# KiCad board Panel.kicad_pcb (continued)
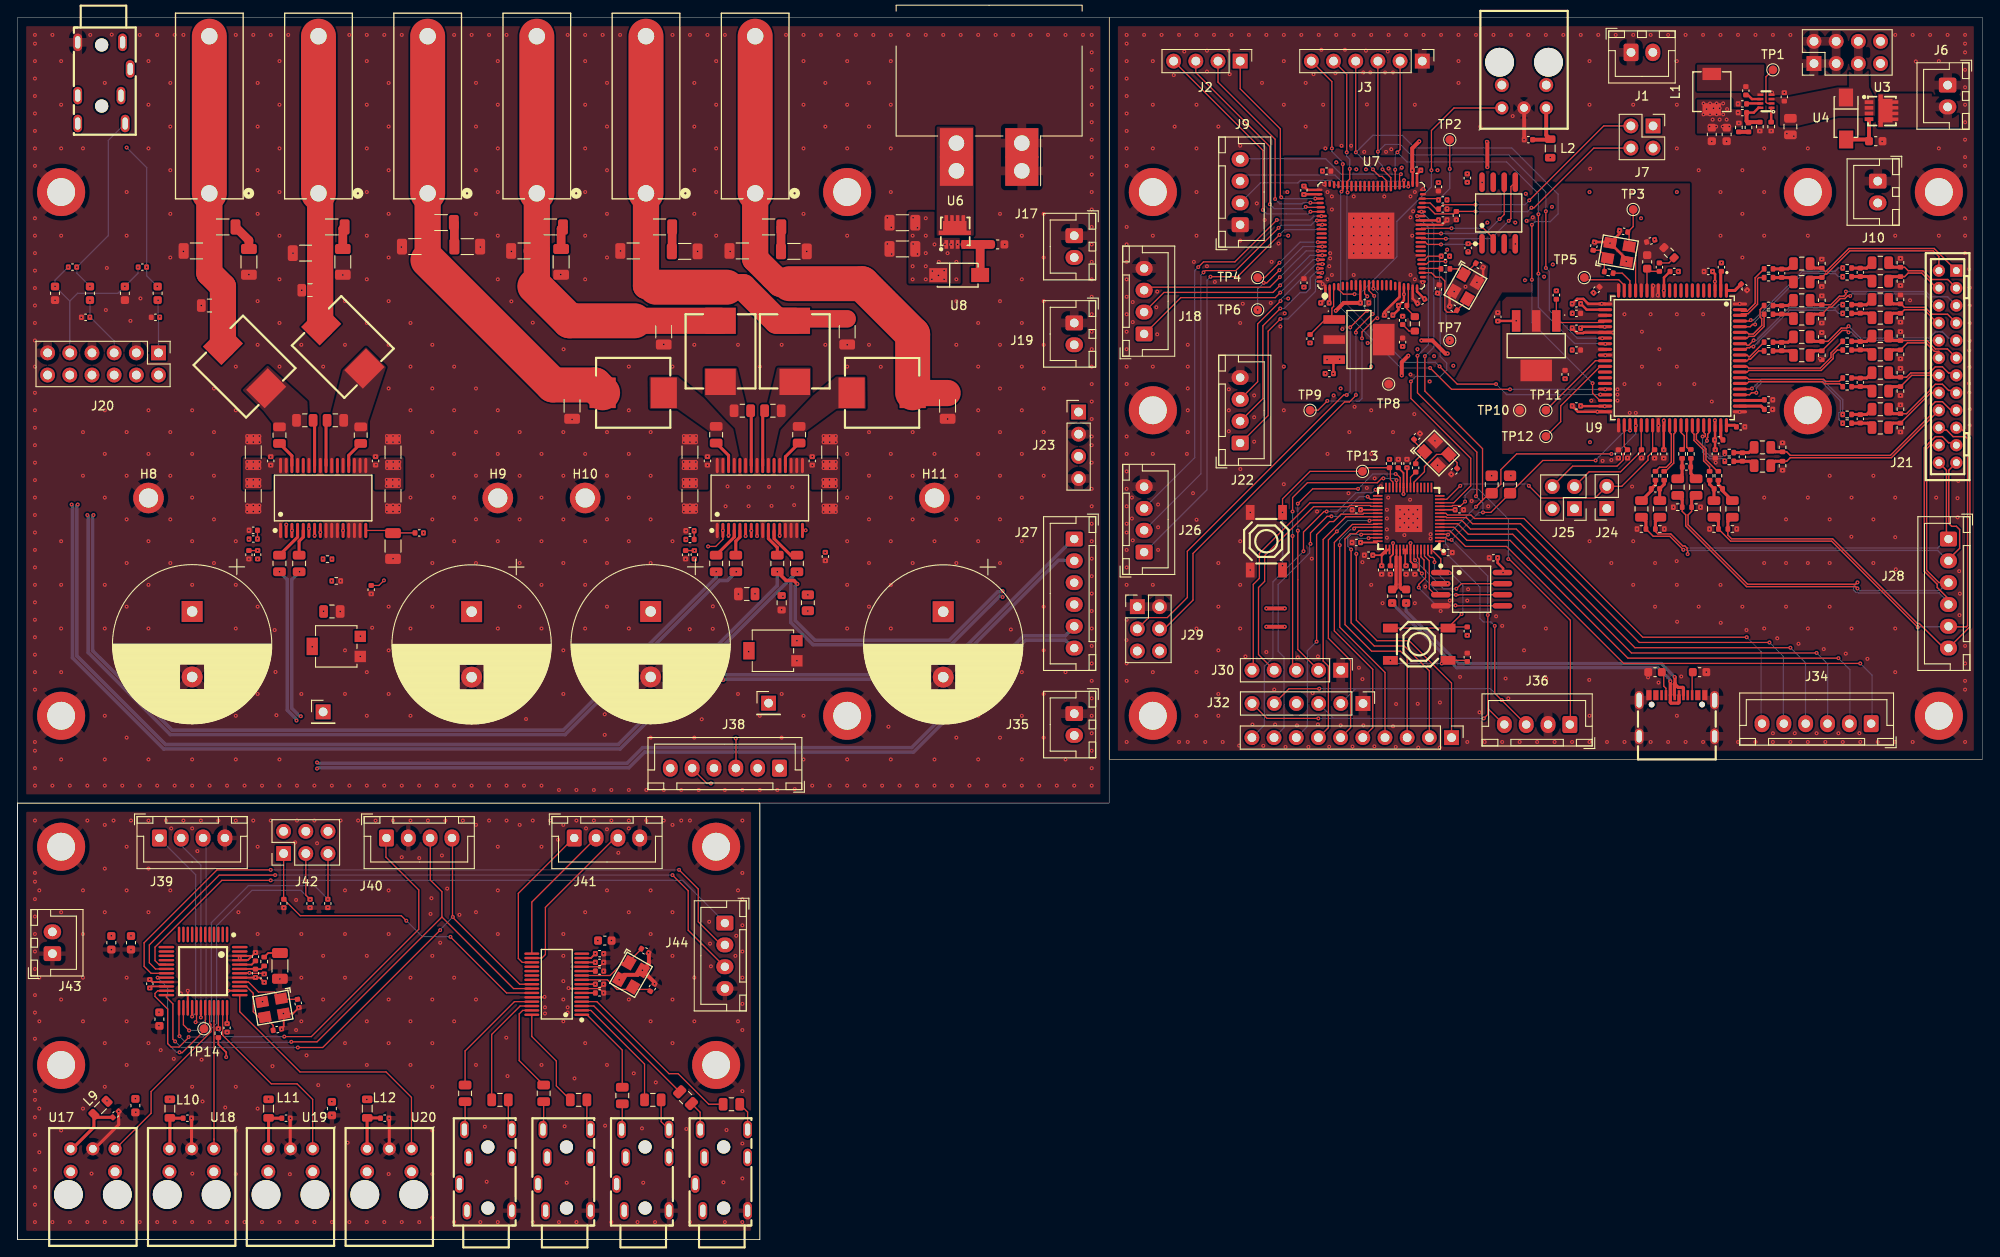
[diagram p0: board, top side]
## Nets (continued)
/ADAU1962A_ADDR1: J25.4 R62.2 U9.42
/ADAU1962A_RESET: J24.2 R64.1 U9.47 U12.13
/FAULTZA: J34.3 U12.6
/FAULTZB: J34.4 U12.7
/LIN: C50.1 J20.5 R38.1
/MUTEA: J34.5 U12.8
/MUTEB: J34.6 U12.9
/PCM1865/ADR0: J42.1 R104.1 U16.25
/PCM1865/BCK: J41.3 U16.17
/PCM1865/DOUT: J41.1 U16.18
/PCM1865/LRCK: J41.2 U16.16
/PCM1865/SCL: J40.3 U15.25 U16.24
/PCM1865/SDA: J40.4 U15.24 U16.23
/PCM9211/ADR0: J42.3 R105.1 U15.23
/PCM9211/ADR1: J42.5 R106.1 U15.26
/PCM9211/BCK: J44.2 U15.19
/PCM9211/BCKI: J39.2 U15.30
/PCM9211/DIN: J39.1 U15.28
/PCM9211/DOUT: J44.1 U15.17
/PCM9211/LRCK: J44.3 U15.18
/PCM9211/LRCKI: J39.3 U15.29
/PCM9211/RST: J40.1 R108.1 U15.34
/PCM9211/SCKO: TP14.1 U15.20 U15.31
/PCM9211/SPDIF0: U15.37 U20.1
/PCM9211/SPDIF1: U15.35 U19.1
/PCM9211/SPDIF2: U15.33 U18.1
/PCM9211/SPDIF3: U15.32 U17.1
/PCM9211_RST: J36.1 U12.11
/RIN: C52.2 J20.1 R39.1
/RP2040/GPIO20_UART_TX: J30.5 U12.31
/RP2040/GPIO21_UART_RX: J30.4 U12.32
/RP2040/RPUSB_D+: R97.1 U12.47
/RP2040/RPUSB_D-: R96.2 U12.46
/RP2040/USB_D+: R97.2 U14.A6 U14.B6
/RP2040/USB_D-: R96.1 U14.A7 U14.B7
/SCL: J32.2 J32.5 J36.3 R75.2 U7.39 U9.44 U12.3
/SDA: J32.3 J32.6 J36.4 R76.2 U7.38 U9.43 U12.2
/SDZA: J34.1 U12.4
/SDZB: J34.2 U12.5
/SIN: C49.2 C51.2 J20.9 R21.2 R22.2
/TPA3126D2/FAULTZA: J38.3 R90.2 R91.1 U11.3
/TPA3126D2/FAULTZB: J38.4 R88.2 R89.1 U10.3
/TPA3126D2/LINN: C147.1 J20.8 J27.4
/TPA3126D2/LINP: C146.1 J20.6 J27.3
/TPA3126D2/MUTEA: J38.5 R92.2 U11.12
/TPA3126D2/MUTEB: J38.6 R95.2 U10.12
/TPA3126D2/RINN: C145.1 J20.4 J27.2
/TPA3126D2/RINP: C144.1 J20.2 J27.1
/TPA3126D2/SDZA: J38.1 R84.2 R87.1 U11.2
/TPA3126D2/SDZB: J38.2 R83.2 R86.1 U10.2
/TPA3126D2/SINN: C143.1 J20.12 J27.6
/TPA3126D2/SINP: C142.1 J20.10 J27.5
/TPA3126D2/SYNC: R85.1 U11.16
Net-(C11-Pad2): C103.2 R70.1 Y3.1
Net-(C21-Pad2): C165.2 R107.1
Net-(C23-Pad1): C69.1 R42.1
Net-(C26-Pad1): C35.1 R24.2 Y2.1
Net-(C44-Pad1): C18.1 R26.2 Y1.1
Net-(C45-Pad1): C36.1 R17.2
Net-(C46-Pad1): C20.1 R9.2
Net-(C47-Pad2): C31.2 R12.1
Net-(C48-Pad1): C26.1 R13.2
Net-(C49-Pad2): C27.2 R14.1
Net-(C50-Pad1): C29.1 R10.2
Net-(C51-Pad2): C30.2 R11.1
Net-(C62-Pad1): C34.2 C41.1 R25.2
Net-(C62-Pad2): C41.2 C43.1 R28.2
Net-(C65-Pad1): C33.2 C40.1 R23.2
Net-(C65-Pad2): C40.2 C42.1 R27.2
Net-(C68-Pad1): C54.2 C63.1 R35.2
Net-(C68-Pad2): C63.2 C68.1 R37.2
Net-(C71-Pad1): C53.2 C62.1 R34.2
Net-(C71-Pad2): C62.2 C67.1 R36.2
Net-(C74-Pad1): C74.2 C77.1 R47.2
Net-(C74-Pad2): C77.2 C80.1 R49.2
Net-(C77-Pad1): C73.2 C76.1 R46.2
Net-(C77-Pad2): C76.2 C79.1 R48.2
Net-(C80-Pad1): C81.2 C84.1 R53.2
Net-(C80-Pad2): C84.2 C85.1 R54.2
Net-(C83-Pad1): C90.2 C94.1 R57.2
Net-(C83-Pad2): C94.2 C98.1 R58.2
Net-(C86-Pad1): C105.2 C113.1 R61.2
Net-(C86-Pad2): C113.2 C120.1 R67.2
Net-(C89-Pad1): C126.1 C134.2 R74.2
Net-(C89-Pad2): C126.2 C133.1 R73.2
Net-(C92-Pad1): C121.1 C124.2 R66.2
Net-(C92-Pad2): C121.2 C123.1 R65.2
Net-(C95-Pad1): C125.1 C132.2 R72.2
Net-(C95-Pad2): C125.2 C131.1 R71.2
Net-(J1-AUDIO_L): C180.1 J48.4
Net-(J1-AUDIO_R): C184.1 J48.3
Net-(J1-Pin_1): J31.1 RV2.2 U11.6
Net-(J2-AUDIO_L): C179.1 J47.4
Net-(J2-AUDIO_R): C183.1 J47.3
Net-(J2-Pin_1): J33.1 RV1.2 U10.6
Net-(J3-AUDIO_L): C178.1 J46.4
Net-(J3-AUDIO_R): C182.1 J46.3
Net-(J3-Pin_1): C19.1 C87.1 J13.1 L7.2 R9.1
Net-(J4-AUDIO_L): C177.1 J45.4
Net-(J4-AUDIO_R): C181.1 J45.3
Net-(J4-Pin_1): C23.2 C71.2 J14.1 L4.2 R12.2
Net-(J5-Pin_1): C24.1 C72.1 J15.1 L5.2 R13.1
Net-(J6-Pin_1): C25.2 C88.2 J16.1 L8.2 R14.2
Net-(J6-Pin_2): J6.2 U3.5 U3.6 U3.7 U3.8
Net-(J7-Pin_1): C22.1 C59.1 J11.1 L6.2 R10.1
Net-(J8-Pin_1): C28.2 C48.2 J12.1 L3.2 R11.2
Net-(J8-Pin_2): J30.2 U12.24
Net-(J8-Pin_3): J30.3 U12.25
Net-(J9-AUDIO_L): C50.2 J5.4 R21.1
Net-(J9-AUDIO_R): C52.1 J5.3 R22.1
Net-(J9-Pin_1): J37.1 U12.41
Net-(J9-Pin_2): J37.2 U12.40
Net-(J9-Pin_3): J37.3 U12.39
Net-(J9-Pin_4): J37.4 U12.38
Net-(J9-Pin_5): J37.5 U12.37
Net-(J9-Pin_6): J37.6 U12.36
Net-(J9-Pin_7): J37.7 U12.35
Net-(J9-Pin_8): J37.8 U12.34
Net-(J9-Pin_9): J37.9 U12.30
Net-(J9-Pin_10): J37.10 U12.29
Net-(J11-Pin_1): J2.1 U7.69
Net-(J11-Pin_2): J2.2 U7.70
Net-(J11-Pin_3): J2.3 U7.71
Net-(J11-Pin_4): J2.4 U7.72
Net-(J12-Pin_2): J9.2 U7.47
Net-(J12-Pin_3): J9.3 U7.48
Net-(J12-Pin_4): J9.4 U7.49
Net-(J13-Pin_2): J8.2 U6.5 U6.6 U6.7 U6.8
Net-(R3-Pad2): R3.2 R4.1
Net-(REF1-B): R45.2 REF1.1 U7.3
Net-(SW1-A): R100.2 SW2.1 SW2.2 U12.56 U13.1
Net-(SW1-C): R101.2 SW2.3 SW2.4
Net-(SW2-A): R68.1 SW1.1 SW1.2 TP13.1 U12.26
Net-(U1-BSNL): C100.1 U11.20
Net-(U1-BSNR): C92.1 U11.26
Net-(U1-BSPL): C93.1 U11.24
Net-(U1-BSPR): C99.1 U11.30
Net-(U1-G): R5.1 U3.4 U4.2
Net-(U1-GAIN_SLV): R98.1 R99.2 U11.8
Net-(U1-GVDD): C152.2 R99.1 RV2.3 U11.7
Net-(U1-LDO): C166.1 U16.11
Net-(U1-LINN): C147.2 U11.11
Net-(U1-LINP): C146.2 U11.10
Net-(U1-OUTNL): C100.2 L8.1 U11.21
Net-(U1-OUTNR): C92.2 L4.1 U11.27
Net-(U1-OUTPL): C93.2 L5.1 U11.23
Net-(U1-OUTPR): C99.2 L7.1 U11.29
Net-(U1-RINN): C145.2 U11.5
Net-(U1-RINP): C144.2 U11.4
Net-(U1-VREF): C172.1 U16.6
Net-(U1-XI): C161.1 U16.10 Y4.1
Net-(U1-XO): C171.2 U16.9 Y4.3
Net-(U2-BSNL): C102.1 U10.20
Net-(U2-BSNR): C95.1 U10.26
Net-(U2-BSPL): C96.1 U10.24
Net-(U2-BSPR): C101.1 U10.30
Net-(U2-GAIN_SLV): R93.2 R94.1 U10.8
Net-(U2-GVDD): C154.2 R93.1 RV1.3 U10.7
Net-(U2-OUTNL): C96.2 C102.2 L3.1 U10.21 U10.23
Net-(U2-OUTNR): C95.2 C101.2 L6.1 U10.27 U10.29
Net-(U2-RINN): C143.2 U10.5
Net-(U2-RINP): C142.2 U10.4
Net-(U2-SYNC): C138.1 R85.2 U10.16
Net-(U2A-XTI): C176.2 U15.39 Y5.3
Net-(U2A-XTO): C173.1 U15.40 Y5.1
Net-(U2B-FILT): C167.1 R107.2 U15.43
Net-(U2B-VCOM): C163.1 U15.44
Net-(U3-BST): C1.1 U2.6
Net-(U3-EN): TP1.1 U2.2
Net-(U3-FB): C4.2 R1.1 R4.2 U2.8
Net-(U3-G): R15.1 U6.4 U8.2
Net-(U3-RT): R2.1 U2.1
Net-(U3-SS): C3.1 U2.7
Net-(U3-SW): C1.2 L1.1 U2.5
Net-(U4-CC1): R102.1 U14.A5
Net-(U4-CC2): R103.1 U14.B5
Net-(U4-VCC): C190.2 L12.1 U20.3
Net-(U5-CLK): U12.52 U13.6
Net-(U5-DI(IO0)): U12.53 U13.5
Net-(U5-DO(IO1)): U12.55 U13.2
Net-(U5-IO2): U12.54 U13.3
Net-(U5-IO3): U12.51 U13.7
Net-(U5-VCC): C189.2 L11.1 U19.3
Net-(U6-VCC): C188.2 L10.1 U18.3
Net-(U6-VREG_VOUT): C118.2 C149.2 C151.2 U12.23 U12.45 U12.50
Net-(U6-XIN): C122.2 U12.20 Y3.3
Net-(U6-XOUT): R70.2 U12.21
Net-(U7-VCC): C187.2 L9.1 U17.3
Net-(U8-AUXADC2): TP9.1 U7.12
Net-(U8-CLKOUT): TP7.1 U7.27
Net-(U8-PLLFILT): C60.2 R42.2 U7.20
Net-(U8-SELFBOOT): R6.2 TP2.1 U7.42
Net-(U8-THD_M): TP4.1 U7.79
Net-(U8-THD_P): TP6.1 U7.80
Net-(U8-XTALIN/MCLK): C61.2 U7.25 Y2.3
Net-(U8-XTALOUT): R24.1 U7.26
Net-(U9-VCC): C8.2 L2.1 U1.3
Net-(U10-MCLKO): TP5.1 U9.19
Net-(U10-SA1): TP11.1 U9.31
Net-(U10-SA2): TP12.1 U9.32

Pads without a net: J5 2 5 6 7; J45 2 5 6 7; J46 2 5 6 7; J47 2 5 6 7; J48 2 5 6 7; U1 4 5; U5 3 7; U7 5 6 7 13 14 15 16 17 30 31 53 54 55 56 57 58 59 60 63 64 76 77 78; U9 4 5 6 7 8 9 10 11 33 34 35 46; U12 14 15 16 17 18 27 28; U14 A4B9 A8 B4A9 B8; U15 1 2 3 4 5 6 7 8 9 10 11 12 13 14 15 16 47 48; U16 5 15 19 20 21 22; U17 4 5; U18 4 5; U19 4 5; U20 4 5

## Via types
v1: diameter 0.45, hole 0.2, Top to Bottom, 2020 vias

## Routing (per net, layer and track width the routed paths; a pad name or vN(x,y) marks a point on that pad's centre or on a via; arc(x,y) is an arc through that point)
+3V3: length 90.4
  Top w0.15: C168.2 28.18,30.5 26.6,30.5 v1(26.55,30.55) 26.5,30.5 U15.42 ; C168.2 28.28,30.4 v1(28.25,30.4) C168.2
  Top w0.2: 158.9,78.85 158.9,77.28 C150.2 ; 158.9,78.85 U12.48 U12.49 158.9,78.85 ; v1(155.2,78.4) 156.05,78.4 U12.43 ; U12.22 v1(159.1,88.4) ; U12.10 v1(164.6,83.6) ; U16.14 65.67,32.25 66.15,32.73 v1(66.15,32.75) C162.2 ; C169.2 15.33,29 U15.22 ; C148.2 156.2,78.3 156.95,79.05 U12.44 ; R108.2 23,22.35 23.9,21.45 v1(23.9,20.9) ; U16.13 v1(66.15,31.75) C164.2 ; U16.8 C170.2 ; U12.33 C135.2 ; U12.42 155.6,79.85 v1(153.78,79.85) ; U15.36 C175.2
  Top w0.28: U7.9 v1(153.75,107.3) C57.2 ; v1(170.1,76.4) 170.1,76.9 169.48,77.52 v1(169.48,78.1) ; v1(179,107.2) 179.67,106.53 U9.22 ; C70.2 178.95,104.37 v1(178.95,104.45) 179.03,104.45 179.16,104.58 U9.25 ; U9.12 188.52,110.2 C38.2 ; v1(150.2,107.3) 150.25,107.35 U7.2 ; C112.2 194.38,90.5 U9.58 ; C9.2 159.75,122.47 U7.46 ; C39.2 v1(194.1,110.9) 194.1,110.88 194.38,110.6 194.38,109.78 v1(194.35,109.75) 194.38,109.72 U9.3 ; U7.68 147.33,119.75 C13.2 ; v1(158.15,107) 158.75,107.6 v1(158.75,108.3) U7.19 ; REF1.3 150.68,100.71 C82.2 ; v1(163.3,78.7) 162.85,79.15 U12.1 ; C55.2 160.25,108.61 U7.22 ; U9.49 188.5,93.25 v1(188.5,90.45) C111.2 ; C14.2 162.67,116.75 U7.37 ; U9.39 181.77,95.47 v1(181.75,95.45) 181.73,95.47 179.03,95.47 v1(179,95.5) ; C60.1 158.12,106.52 v1(157.5,105.9) ; C66.2 169.51,105.23 REF2.3
  Top w0.45: v1(159.25,101.25) 158.5,100.5 v1(158.5,99) ; v1(163.75,101.5) 163.5,101.5 162,103 v1(160.75,103) ; v1(153.75,107.3) 151.85,107.3 v1(150.95,106.4) ; v1(159.7,122.5) 159.7,125 v1(160.5,125.8) ; v1(145.1,72.3) v1(143,72.3) ; v1(168.3,122.85) 168.3,125.7 v1(168.25,125.75) ; v1(143,70.2) v1(145.1,70.2)
  vias: v1(10.25,15.89) v1(10.75,34.8) v1(13,34.8) v1(13.5,16.14) v1(15.15,28.8) v1(16.2,26.05) v1(17.45,16.1) v1(24,24.75) v1(28.75,16.1) v1(36,15.8) v1(40,16.05) v1(66.15,29.25) v1(66.45,34.25) v1(147.3,119.7) v1(148,102.7) v1(149.95,100.8) v1(150.65,99.2) v1(151.4,100.85) v1(153.8,83.6) v1(156.2,77.2) v1(157.1,89.4) v1(158.6,105.75) v1(159,77.2) v1(161.1,107.75) v1(162.7,116.8) v1(163.68,119.1) v1(163.98,112.65) v1(166,121.1) v1(166,69.2) v1(166.1,113.25) v1(167.7,121.1) v1(168.8,87.5) v1(169.5,105.2) v1(171,87.5) v1(171.6,105.25) v1(175.5,123.95) v1(176.2,108.7) v1(181.75,104.55) v1(188.5,108.7) v1(188.5,93.8) v1(193.05,130.15) v1(193.05,128.9) v1(193.4,129.5) v1(193.8,130.15) v1(193.8,128.9) v1(193.75,127.5) v1(194.1,128.3) v1(194.2,129.6) v1(194.35,93.85) v1(194.35,91.6) v1(194.4,90.45) v1(194.5,127.5) v1(194.55,130.15) v1(194.55,128.9) v1(194.9,129.6) v1(194.9,128.3) v1(195.1,111.9) v1(195.25,127.5) v1(195.3,130.15) v1(195.3,128.9) v1(195.7,128.3) v1(195.75,129.5) v1(196,127.5) v1(197,129.1) v1(197.1,127.9)
+24V:
  vias: v1(26.3,89.08) v1(26.3,88.38) v1(26.3,87.03) v1(26.3,86.33) v1(26.5,80.2) v1(27,89.08) v1(27,88.38) v1(27,87.03) v1(27,86.33) v1(27.5,77.95) v1(27.7,89.08) v1(27.7,88.38) v1(27.7,87.03) v1(27.7,86.33) v1(29,88.7) v1(41.05,88.75) v1(42.33,89.08) v1(42.33,88.38) v1(42.28,87.03) v1(42.28,86.33) v1(43.03,89.08) v1(43.03,88.38) v1(42.97,87.03) v1(42.97,86.33) v1(43.72,89.08) v1(43.72,88.38) v1(43.67,87.03) v1(43.67,86.33) v1(76.28,89.08) v1(76.28,88.38) v1(76.28,87.03) v1(76.28,86.33) v1(76.55,80.2) v1(76.97,89.08) v1(76.97,88.38) v1(76.97,87.03) v1(76.97,86.33) v1(77.5,77.95) v1(77.67,89.08) v1(77.67,88.38) v1(77.67,87.03) v1(77.67,86.33) v1(79,88.7) v1(91,88.7) v1(92.3,89.08) v1(92.3,88.38) v1(92.28,87.03) v1(92.28,86.33) v1(93,89.08) v1(93,88.38) v1(92.97,87.03) v1(92.97,86.33) v1(93.7,89.08) v1(93.7,88.38) v1(93.68,87.03) v1(93.68,86.33) v1(102.5,115) v1(102.5,111.5) v1(102.5,110) v1(102.55,117.05) v1(102.55,114.05) v1(103.05,115.9) v1(103.05,112.9) v1(104,117) v1(104,115) v1(104,113) v1(104,111.5) v1(104,110) v1(104.7,110) v1(104.75,110.95) v1(105,114) v1(105.45,110.45) v1(105.5,112) v1(106.1,111) v1(106.1,110) v1(106.2,114) v1(106.5,113) v1(106.9,114) v1(107.5,112) v1(107.5,110) v1(107.65,114)
/PCM1865/VINL1: length 15.3
  Top w0.143: U16.3 66,26.75 C180.2
/PCM1865/VINL2: length 10.6
  Top w0.143: U16.1 65.2,25.75 69.25,21.7 C179.2
/PCM1865/VINL3: length 10.9
  Top w0.143: U16.29 57.85,26.25 57.45,25.85 57.45,20.5 C178.2
/PCM1865/VINL4: length 13.9
  Top w0.143: C177.2 51.25,21.6 56.9,27.25 U16.27
/PCM1865/VINR1: length 21.1
  Top w0.143: U16.4 66.35,27.25 74.6,19 75.65,19 79.15,15.5 C184.2
/PCM1865/VINR2: length 13.8
  Top w0.143: C183.2 71.8,20.1 65.65,26.25 U16.2
/PCM1865/VINR3: length 11.6
  Top w0.143: U16.30 58.89,23.26 61.7,20.45 61.7,17.6 C182.2
/PCM1865/VINR4: length 13.4
  Top w0.143: U16.28 57.55,26.75 54.3,23.5 C181.2
GND: length 91.9
  Top w0.15: U16.12 66.63,31.25 C164.1 ; 66.63,28.75 C172.2 ; 66.63,28.75 C170.1 ; 66.63,28.75 U16.7 63.15,28.75 v1(63.1,28.8)
  Top w0.2: 71.56,30.67 Y4.4 ; 26.87,32.5 26.37,32 U15.45 v1(25.45,32.25) U15.46 26.87,32.5 ; 26.87,32.5 C163.2 ; U15.41 27.72,30 C168.1 ; U15.21 15.43,29.5 C169.1 ; C173.2 31.53,25.87 Y5.4 30.49,24.4 C176.1 ; v1(19.5,28.5) U15.27 ; U15.38 v1(24.1,28.5) ; U16.26 60.3,27.75 v1(60.35,27.8)
  Top w0.28: C16.1 183.43,115.22 Y1.4 184.23,112.3 Y1.2 ; U9.21 181.75,107.2 v1(181.4,107.2) 179.85,107.2 179.29,107.76 178.58,107.76 C58.1 ; U9.40 v1(180.9,94.82) 178.68,94.82 v1(178,95.5) ; v1(182.7,103.9) 179.35,103.9 179.29,103.84 178.58,103.84 C70.1 ; C35.2 167.82,110.37 v1(167.11,109.66) ; C18.2 182.23,114.27 v1(182.35,114.15) ; C9.1 160.25,122.07 U7.45 ; C65.1 156.52,106.27 158.25,108 U7.18 ; C55.1 159.75,107.79 U7.21 ; C56.1 149.75,107.83 U7.1 ; C14.1 163.12,116.24 160.68,116.24 U7.36 ; C61.1 163.98,108.13 Y2.2 ; Y3.4 162.4,91.44 ; C13.1 147.73,120.25 U7.67
  Top w0.35: 42.57,10.37 42.57,13.86 C190.1 ; 31.26,10.37 31.23,10.4 C189.1 ; C187.1 11.59,13.17 8.63,10.21 ; C188.1 19.93,10.39 19.95,10.37
  Top w0.45: Y4.2 69.45,30.32 71.02,30.32 v1(71.55,30.85) ; C161.2 72.3,32.8 72.3,31.57 Y4.4 72.95,29.45 v1(72.95,29.3) ; C8.1 172.52,129.64 172.5,129.66
  vias: v1(2,138) v1(2,137) v1(2,135) v1(2,133) v1(2,131) v1(2,129) v1(2,127) v1(2,125) v1(2,123) v1(2,117) v1(2,115) v1(2,113) v1(2,111) v1(2,109) v1(2,107) v1(2,105) v1(2,103) v1(2,100) v1(2,97) v1(2,95) v1(2,93) v1(2,91) v1(2,89) v1(2,87) v1(2,85) v1(2,83) v1(2,81) v1(2,79) v1(2,77) v1(2,75) v1(2,73) v1(2,71) v1(2,69) v1(2,67) v1(2,65) v1(2,63) v1(2,57) v1(2,56) v1(2,54) v1(2,52) v1(2,48) v1(2,42) v1(2,41) v1(2,39) v1(2,37) v1(2,35) v1(2,33) v1(2,31) v1(2,28) v1(2,26) v1(2,23) v1(2,17) v1(2,16) v1(2,14) v1(2,12) v1(2,8) v1(2,6) v1(2,4) v1(2,2) v1(2.5,40) v1(2.5,30) v1(2.5,25) v1(2.5,15) v1(2.5,10) v1(4,138) v1(4,52) v1(4,2) v1(4.3,107.6) v1(5,135) v1(5,130) v1(5,125) v1(5,115) v1(5,80) v1(5,75) v1(5,70) v1(5,65) v1(5,55) v1(5,37.5) v1(5,27.5) v1(5,12.5) v1(6,52) v1(6,2) v1(7.3,105.65) v1(7.5,125) v1(7.5,92.5) v1(7.5,87.5) v1(7.5,40) v1(7.5,35) v1(7.5,30) v1(7.5,25) v1(7.5,15) v1(8,52) v1(8,48) v1(8,2) v1(8.33,138) v1(8.48,7.55) v1(10,132.5) v1(10,95) v1(10,90) v1(10,85) v1(10,75) v1(10,70) v1(10,60) v1(10,55) v1(10,52) v1(10,47.5) v1(10,42.5) v1(10,37.5) v1(10,27.5) v1(10,22.5) v1(10,17.5) v1(10,2) v1(10.12,106.48) v1(10.23,111.3) v1(10.79,138.03) v1(10.75,33.2) v1(11,48) v1(11.6,14.69) v1(12,52) v1(12,2) v1(12.5,120) v1(12.5,115) v1(12.5,92.5) v1(12.5,87.5) v1(12.5,82.5) v1(12.5,77.5) v1(12.5,72.5) v1(12.5,67.5) v1(12.5,57.5) v1(12.5,45) v1(12.5,40) v1(12.5,30) v1(12.5,25) v1(12.5,20) v1(12.94,105.24) v1(13,48) v1(13,33.2) v1(13.55,14.59) v1(14,138) v1(14,52) v1(14,2) v1(14.08,107.81) v1(15,135) v1(15,130) v1(15,125) v1(15,95) v1(15,90) v1(15,80) v1(15,75) v1(15,70) v1(15,65) v1(15,55) v1(15,48) v1(15,42.5) v1(15,37.5) v1(15,22.5) v1(15.15,29.8) v1(16,138) v1(16,52) v1(16,2) v1(16.2,24.5) v1(16.4,21.7) v1(17,48) v1(17.5,132.5) v1(17.5,127.5) v1(17.5,122.5) v1(17.5,117.5) v1(17.5,112.5) v1(17.5,92.5) v1(17.5,87.5) v1(17.5,82.5) v1(17.5,77.5) v1(17.5,67.5) v1(17.5,62.5) v1(17.5,40) v1(17.6,47.1) v1(17.9,20.7) v1(18,138) v1(18,52) v1(18,2) v1(18.7,28.2) v1(19,138) v1(19,113.2) v1(19,48) v1(19.9,13.9) v1(20,95) v1(20,90) v1(20,85) v1(20,80) v1(20,75) v1(20,60) v1(20,55) v1(20,52) v1(20,47.1) v1(20,17.5) v1(20.02,7.55) v1(20,2) v1(20.6,44.5) v1(21.05,107) v1(21,48) v1(21.08,20.61) v1(21.19,15.82) v1(22,52) v1(22,2) v1(22.5,97.5) v1(22.5,92.5) v1(22.5,87.5) v1(22.5,82.5) v1(22.5,77.5) v1(22.5,67.5) v1(22.5,62.5) v1(23,48) v1(23.79,15.13) v1(24,52) v1(24,23.75) v1(24,2) v1(25,138) v1(25,100) v1(25,95) v1(25,80) v1(25,75) v1(25,70) v1(25,65) v1(25,60) v1(25,55) v1(25,48) v1(25,17.5) v1(25,12.5) v1(25,7.5) v1(25.3,37.5) v1(26,52) v1(26,2) v1(26.3,92.05) v1(26.3,91.35) v1(26.3,84.1) v1(26.3,83.4) v1(26.5,110.55) v1(26.5,81.25) v1(26.5,77.95) v1(27,138) v1(27,92.05) v1(27,91.35) v1(27,84.1) v1(27,83.4) v1(27,48) v1(27.25,32.9) v1(27.25,30.05) v1(27.5,132.5) v1(27.5,127.5) v1(27.5,122.5) v1(27.5,117.5) v1(27.5,107.5) v1(27.5,102.5) v1(27.5,72.5) v1(27.5,67.5) v1(27.5,62.5) v1(27.5,45) v1(27.5,35) v1(27.5,15) v1(27.7,92.05) v1(27.7,91.35) v1(27.7,84.1) v1(27.7,83.4) v1(28,52) v1(28.05,27.25) v1(28,2) v1(28.25,29.45) v1(29,138) v1(29,89.65) v1(29,48) v1(29.2,19.86) v1(29.45,69.82) v1(29.54,65.02) v1(29.65,60.07) v1(30,135) v1(30,130) v1(30,125) v1(30,120) v1(30,115) v1(30,110) v1(30,105) v1(30,100) v1(30,55) v1(30,52) v1(30.05,29.85) v1(30,2) v1(30.25,24.1) v1(30.5,38) v1(30.45,25.9) v1(31,138) v1(31.25,13.9) v1(31.19,7.49) v1(31.55,113) v1(31.8,45.5) v1(31.9,38.9) v1(31.9,24) v1(32,52) v1(32,48) v1(32,2) v1(32.2,26.55) v1(32.55,108.75) v1(32.5,102.5) v1(32.5,62.5) v1(32.5,35) v1(32.5,30) v1(32.5,25) v1(33.1,21.1) v1(33.5,38) v1(34,52) v1(34,48) v1(34,2) v1(34.3,45.4) v1(34.44,17.69) v1(35,100) v1(35,32.5) v1(35,27.5) v1(35.55,38.05) v1(36,52) v1(36,14.25) v1(36,2) v1(37,75.45) v1(36.95,71.95) v1(37,48) v1(37.25,110.5) v1(37.5,107.5) v1(37.5,102.5) v1(37.5,67.5) v1(37.5,62.5) v1(37.5,40) v1(37.5,35) v1(37.5,30) v1(37.5,22.5) v1(37.8,11.09) v1(37.91,17.64) v1(38,138) v1(38,52) v1(38,2) v1(39,48) v1(39.25,66.8) v1(40,138) v1(40,135) v1(40,130) v1(40,125) v1(40,120) v1(40,115) v1(40,110) v1(40,105) v1(40,65) v1(40,60) v1(40,52) v1(40,32.5) v1(40,25) v1(40,20) v1(40,2) v1(40.5,73.95) v1(40.61,70.09) v1(41,89.7) v1(41,48) v1(42,138) v1(42,52) v1(42,2) v1(42.3,92.05) v1(42.3,91.35) v1(42.3,84.1) v1(42.3,83.4) v1(42.5,132.5) v1(42.5,127.5) v1(42.5,122.5) v1(42.5,117.5) v1(42.5,112.5) v1(42.5,107.5) v1(42.5,102.5) v1(42.5,97.5) v1(42.5,72.5) v1(42.5,67.5) v1(42.5,62.5) v1(42.5,40) v1(42.5,35) v1(42.5,27.5) v1(42.5,22.5) v1(42.55,13.9) v1(42.5,7.5) v1(43,92.05) v1(43,91.35) v1(43,84.1) v1(43,83.4) v1(43,78) v1(43,48) v1(43.7,92.05) v1(43.7,91.35) v1(43.7,84.1) v1(43.7,83.4) v1(44,138) v1(43.95,113.7) v1(44,52) v1(44,43.8) v1(44,2) v1(45,105) v1(45,100) v1(45,95) v1(45,85) v1(45,70) v1(45,65) v1(45,60) v1(45,48) v1(45,30) v1(45,25) v1(45,20) v1(46,52) v1(46,43.7) v1(46,2) v1(47,48) v1(47.3,37.3) v1(47.4,39.1) v1(47.5,102.5) v1(47.5,97.5) v1(47.5,92.5) v1(47.5,87.5) v1(47.5,82.5) v1(47.5,77.5) v1(47.5,72.5) v1(47.5,67.5) v1(47.5,62.5) v1(47.5,32.5) v1(47.5,27.5) v1(47.5,22.5) v1(47.5,17.5) v1(47.5,12.5) v1(47.5,7.5) v1(47.5,2.5) v1(48,52) v1(48.4,34) v1(48.6,44) v1(49,48) v1(49.2,40.2) v1(50,138) v1(50,100) v1(50,95) v1(50,90) v1(50,85) v1(50,80) v1(50,60) v1(50,52) v1(50,30) v1(50,25) v1(50,2) v1(50.6,37.2) v1(51,48) v1(52,138) v1(52,52) v1(52.5,132.5) v1(52.5,127.5) v1(52.5,122.5) v1(52.5,117.5) v1(52.5,97.5) v1(52.5,92.5) v1(52.5,87.5) v1(52.5,82.5) v1(52.5,77.5) v1(52.5,47.5) v1(52.5,37.5) v1(52.5,27.5) v1(52.5,20) v1(53,113.7) v1(53,2) v1(53.52,12.92) v1(53.73,6.62) v1(54,138) v1(54,52) v1(54,48) v1(55,135) v1(55,130) v1(55,125) v1(55,120) v1(55,115) v1(55,110) v1(55,95) v1(55,90) v1(55,80) v1(55,70) v1(55,61.96) v1(55,45) v1(55,40) v1(55,35) v1(55,2) v1(56,138) v1(56,52) v1(56,48) v1(55.97,23.12) v1(56.11,18.73) v1(56.55,113.2) v1(56.55,107.48) v1(57.5,92.5) v1(57.5,87.5) v1(57.5,82.5) v1(57.5,77.5) v1(57.5,72.5) v1(57.5,67.5) v1(57.5,47.5) v1(58,52) v1(58.23,59.63) v1(59,105.03) v1(59,48) v1(59,2) v1(60,90) v1(60,85) v1(60,80) v1(60,75) v1(60,70) v1(60,65) v1(60,52) v1(60,45) v1(60,20) v1(60.4,26.6) v1(60.4,25.9) v1(61,48) v1(61.9,45.8) v1(62,51.5) v1(62,2) v1(62.2,110.55) v1(62.53,101.99) v1(62.5,92.5) v1(62.5,87.5) v1(62.5,82.5) v1(62.5,77.5) v1(62.5,67.5) v1(62.5,62.5) v1(62.5,47.5) v1(62.5,35) v1(62.5,32.5) v1(62.5,29.6) v1(62.5,27.5) v1(62.5,25) v1(62.65,12.97) v1(62.89,6.51) v1(63,138) v1(63,26.6) v1(63,26) v1(63.5,93.95) v1(63.78,18.46) v1(64,51.5) v1(64,48) v1(64,2) v1(65,138) v1(65,135) v1(65,130) v1(65,125) v1(65,120) v1(65,115) v1(65,110) v1(65,90) v1(65,80) v1(65,75) v1(65,70) v1(65,65) v1(65,37.5) v1(65,22.5) v1(65.1,47.1) v1(66,51.5) v1(66,48) v1(67,138) v1(67.1,32.75) v1(67.1,31.75) v1(67.1,30.75) v1(67.1,29.25) v1(67.1,28.25) v1(67.24,60.18) v1(67.24,57.82) v1(67.28,13.04) v1(67.5,132.5) v1(67.5,127.5) v1(67.5,122.5) v1(67.5,117.5) v1(67.5,112.5) v1(67.5,92.5) v1(67.5,87.5) v1(67.5,82.5) v1(67.5,77.5) v1(67.5,72.5) v1(67.5,67.5) v1(67.5,47) v1(67.5,40) v1(67.5,20) v1(68,51.5) v1(68,48) v1(68,34.25) v1(68,2) v1(68.8,44.3) v1(68.9,29.75) v1(69,138) v1(69.05,113.25) v1(69.23,62.31) v1(70,100) v1(70,95) v1(70,90) v1(70,85) v1(70,80) v1(70,70) v1(70,60) v1(70,51.5) v1(70,48) v1(70,47.1) v1(70,37.5) v1(70,27.5) v1(70.56,19.04) v1(71,2) v1(71.06,62.56) v1(71.51,12.74) v1(71.65,6.51) v1(72,51.5) v1(72,48) v1(72.25,32.85) v1(72.5,92.5) v1(72.5,87.5) v1(72.5,82.5) v1(72.5,77.5) v1(72.5,57.5) v1(72.5,40) v1(72.5,35) v1(72.5,25) v1(73,2) v1(73.09,18) v1(74,102.55) v1(74,51.5) v1(74,48) v1(74.65,67.34) v1(75,138) v1(75,100) v1(75,80) v1(75,65) v1(75,60) v1(75,47.5) v1(75,37.5) v1(75,32.5) v1(75,27.5) v1(75,22.5) v1(76,51.5) v1(76,48) v1(76.3,92.05) v1(76.3,91.35) v1(76.3,84.1) v1(76.3,83.4) v1(76.55,81.2) v1(76.5,77.95) v1(76.58,12.67) v1(77,138) v1(77,92.05) v1(77,91.35) v1(77,84.1) v1(77,83.4) v1(76.97,69.91) v1(76.97,67.32) v1(77,48) v1(77,2) v1(77.18,62.47) v1(77.5,132.5) v1(77.5,127.5) v1(77.5,122.5) v1(77.5,117.5) v1(77.5,102.5) v1(77.5,57.5) v1(77.5,30) v1(77.5,25) v1(77.7,92.05) v1(77.7,91.35) v1(77.7,84.1) v1(77.7,83.4) v1(77.88,113.2) v1(78,51.5) v1(78.35,59.6) v1(79,138) v1(79,89.7) v1(79.2,36.4) v1(79.3,33.9) v1(79.4,31.3) v1(79.55,64.22) v1(79.62,72.54) v1(79.61,69.96) v1(80,135) v1(80,130) v1(80,125) v1(80,120) v1(80,115) v1(80.83,6.55) v1(81,138) v1(81,51.5) v1(81,2) v1(81.08,84) v1(81.19,12.55) v1(81.3,86.28) v1(81.6,113.2) v1(82.2,32.5) v1(82.3,34.8) v1(82.5,102.5) v1(82.55,73.95) v1(82.5,62.5) v1(82.5,40) v1(82.5,25) v1(83,51.5) v1(83,48) v1(83,42) v1(83,39) v1(83,36) v1(83,33) v1(83,30) v1(83,27) v1(83,24) v1(83,17) v1(83,11) v1(83,7) v1(83,2) v1(83.71,86.21) v1(83.71,84.01) v1(85,100) v1(85,60) v1(85,51.5) v1(86.05,86.23) v1(86.34,84.05) v1(87,51.5) v1(87.5,102.5) v1(87.5,72.15) v1(87.5,62.5) v1(87.5,57.5) v1(88,138) v1(88.72,86.2) v1(88.93,84.14) v1(89,51.6) v1(89.25,66.3) v1(90,138) v1(90,135) v1(90,130) v1(90,125) v1(90,117.5) v1(90,60) v1(90,55) v1(90.38,113.2) v1(91,89.7) v1(91,52) v1(92,138) v1(92.3,92.05) v1(92.3,91.35) v1(92.3,84.05) v1(92.3,83.35) v1(92.5,132.5) v1(92.5,127.5) v1(92.5,102.5) v1(92.5,77.75) v1(93,92.05) v1(93,91.35) v1(93,84.05) v1(93,83.35) v1(93,52) v1(93.7,92.05) v1(93.7,91.35) v1(93.7,84.05) v1(93.7,83.35) v1(94,138) v1(95,135) v1(95,130) v1(95,125) v1(95,115) v1(95,102.5) v1(95,100) v1(95,90) v1(95,85) v1(95,80) v1(95,75) v1(95,70) v1(95,55) v1(95,52) v1(96,138) v1(97,52) v1(97.5,132.5) v1(97.5,127.5) v1(97.5,102.5) v1(97.5,92.5) v1(97.5,87.5) v1(97.5,82.5) v1(97.5,77.5) v1(97.5,72.5) v1(98,138) v1(98.85,99.98) v1(99,52) v1(99.53,62.57) v1(99.6,117.05) v1(99.6,114.05) v1(99.73,58.74) v1(100,138) v1(100,135) v1(100,130) v1(100,125) v1(100,120) v1(100,90) v1(100,85) v1(100,80) v1(100,75) v1(100,70) v1(100,55) v1(100.05,115.95) v1(100.1,112.9) v1(101,52) v1(102,138) v1(102.5,92.5) v1(102.5,87.5) v1(102.5,82.5) v1(102.5,77.5) v1(102.54,63.44) v1(103,52) v1(103.56,60.6) v1(104,138) v1(105,90) v1(105,80) v1(105,55) v1(105,52) v1(106,138) v1(106.5,94) v1(107,52) v1(107.5,107.5) v1(107.5,102.5) v1(107.5,87.5) v1(107.5,82.5) v1(107.5,77.5) v1(107.5,57.5) v1(108,138) v1(108.93,65.36) v1(109,52) v1(110,138) v1(110,105) v1(110,100) v1(110,95) v1(110,90) v1(110,85) v1(110,80) v1(110,60) v1(110,55) v1(111,52) v1(111.46,67.97) v1(112,138) v1(112.5,117.5) v1(112.5,107.5) v1(112.5,102.5) v1(112.5,97.5) v1(112.5,92.5) v1(112.5,87.5) v1(112.5,82.5) v1(112.5,77.5) v1(112.5,62.5) v1(112.5,57.5) v1(113,52) v1(113.05,114) v1(113.74,69.89) v1(114,138) v1(115,115) v1(115,110) v1(115,105) v1(115,100) v1(115,95) v1(115,90) v1(115,85) v1(115,80) v1(115,65) v1(115,60) v1(115,55) v1(115,52) v1(116,138) v1(117,52) v1(117.5,117.5) v1(117.5,112.5) v1(117.5,107.5) v1(117.5,102.5) v1(117.5,97.5) v1(117.5,92.5) v1(117.5,87.5) v1(117.5,72.5) v1(117.5,67.5) v1(117.5,62.5) v1(117.5,57.5) v1(118,138) v1(119,52) v1(120,138) v1(120,65) v1(120,55) v1(121,52) v1(122,138) v1(123,138) v1(123,136) v1(123,134) v1(123,132) v1(123,130) v1(123,128) v1(123,126) v1(123,124) v1(123,122) v1(123,120) v1(123,118) v1(123,116) v1(123,114) v1(123,112) v1(123,110) v1(123,108) v1(123,106) v1(123,104) v1(123,102) v1(123,100) v1(123,98) v1(123,96) v1(123,94) v1(123,92) v1(123,91) v1(123,89) v1(123,86) v1(123,84) v1(123,82) v1(123,80) v1(123,78) v1(123,76) v1(123,74) v1(123,72) v1(123,70) v1(123,68) v1(123,66) v1(123,64) v1(123,62) v1(123,60) v1(123,58) v1(123,56) v1(123,54) v1(123,52) v1(127,138) v1(127,137) v1(127,135) v1(127,133) v1(127,131) v1(127,129) v1(127,127) v1(127,125) v1(127,123) v1(127,116) v1(127,114) v1(127,112) v1(127,110) v1(127,108) v1(127,106) v1(127,104) v1(127,102) v1(127,100) v1(127,98) v1(127,92) v1(127,90) v1(127,88) v1(127,86) v1(127,84) v1(127,82) v1(127,81) v1(127,79) v1(127,77) v1(127,75) v1(127,71) v1(126.98,68.68) v1(127,66) v1(127,64) v1(127,57) v1(127.6,85) v1(127.6,82.6) v1(127.7,107.4) v1(127.7,105.1) v1(127.7,80.1) v1(129,138) v1(130,135) v1(130,130) v1(130,125) v1(130,115) v1(130,100) v1(130,90) v1(130,75) v1(130,65) v1(130.4,106.8) v1(130.5,108.6) v1(130.5,103.7) v1(130.6,84.2) v1(130.6,81.6) v1(130.6,79) v1(131,138) v1(132.4,133.4) v1(132.5,127.5) v1(133,138) v1(133,57) v1(133.6,136.1) v1(133.9,90) v1(134,102.5) v1(134,100) v1(134,97.5) v1(134,95) v1(134,92.5) v1(134,57) v1(134.6,85.5) v1(134.7,112) v1(135,138) v1(135,130) v1(135,125) v1(135,120) v1(135,115) v1(135,82.46) v1(135,70) v1(135,65) v1(135,60) v1(136,57) v1(136.2,136.2) v1(136.2,133.8) v1(136.2,111.5) v1(137,138) v1(137.1,109.7) v1(137.5,127.5) v1(137.5,77.5) v1(137.5,72.5) v1(137.5,67.5) v1(137.5,62.5) v1(137.5,60) v1(138,57) v1(138.7,136.2) v1(138.7,97.4) v1(138.7,95) v1(138.7,92.6) v1(138.8,133.5) v1(139,138) v1(139.88,56.58) v1(140,125.31) v1(140.01,114.44) v1(140,105) v1(140.02,88.27) v1(140,80) v1(140,75) v1(140,70) v1(140.3,107.2) v1(140.6,66.8) v1(141,138) v1(141.15,83.3) v1(141.15,76.7) v1(141.4,59) v1(141.6,96.7) v1(141.6,94.2) v1(141.6,91.4) v1(141.9,118.7) v1(142.5,132.5) v1(142.65,56.56) v1(142.8,116.8) v1(143,138) v1(143,67.3) v1(143.5,107.3) v1(143.6,112) v1(143.9,63) v1(144,59) v1(144.4,114.1) v1(144.6,104.6) v1(145,138) v1(145,135) v1(145,130) v1(145,100) v1(145,95) v1(145,86.53) v1(145.1,106.1) v1(145.19,56.43) v1(145.4,120) v1(145.5,115) v1(145.5,107.8) v1(146.5,58.9) v1(146.6,66.7) v1(147,138) v1(147.3,120.7) v1(147.3,109.1) v1(147.5,132.5) v1(147.5,127.5) v1(147.81,56.43) v1(148.2,78) v1(148.3,62.6) v1(148.4,133.5) v1(148.8,83.4) v1(148.9,66.8) v1(148.9,59) v1(149,138) v1(149.2,107.3) v1(149.3,136.3) v1(149.4,122.4) v1(149.45,109.46) v1(149.5,130) v1(149.6,120.9) v1(149.75,125) v1(149.75,99.2) v1(150,120) v1(150,110) v1(150,90) v1(150.2,111.5) v1(150.19,56.45) v1(150.3,113) v1(150.3,112.4) v1(150.5,119.5) v1(150.5,118) v1(150.5,110.5) v1(150.7,96.7) v1(150.9,133.6) v1(151,138) v1(151,123.4) v1(151.5,97.5) v1(151.5,58.9) v1(151.6,125.3) v1(151.7,104.3) v1(152,136.3) v1(152.4,85.5) v1(152.5,92.5) v1(152.7,125.3) v1(152.8,83.6) v1(152.8,79.85) v1(152.86,56.48) v1(153,138) v1(153,119.5) v1(153,117) v1(153,116) v1(153,115) v1(153,114) v1(153,113) v1(153,110.5) v1(153.1,95.4) v1(153.3,122.6) v1(153.6,65.5) v1(154,117) v1(154,116) v1(154,115) v1(154,114) v1(154,113) v1(154,77.6) v1(154,64.2) v1(154.1,133.7) v1(154.1,58.9) v1(154.2,124.6) v1(154.2,78.4) v1(154.4,136.2) v1(154.4,122.6) v1(154.51,130.04) v1(154.5,86.1) v1(154.6,102.7) v1(154.75,107.3) v1(154.9,133.7) v1(155,138) v1(155,117) v1(155,116) v1(155,115) v1(155,114) v1(155,113) v1(155,100) v1(155,95) v1(155,90) v1(155,75) v1(155.4,87.2) v1(155.36,56.5) v1(156,117) v1(156,116) v1(156,115) v1(156,114) v1(156,113) v1(156.1,86.3) v1(156.2,76.2) v1(156.3,72.9) v1(156.5,119.5) v1(156.5,105.9) v1(156.6,133.7) v1(156.7,124.6) v1(156.8,83.6) v1(156.8,82.6) v1(156.8,81.35) v1(156.8,80.4) v1(156.9,136.1) v1(156.95,85) v1(157,138) v1(157,122.7) v1(157,117) v1(157,116) v1(157,115) v1(157,114) v1(157,113) v1(157.2,76.2) v1(157.3,124.9) v1(157.5,133.7) v1(157.5,92.5) v1(157.5,58.8) v1(157.85,61.35) v1(157.81,56.43) v1(158.1,89.4) v1(158.3,83.6) v1(158.3,82.6) v1(158.3,81.6) v1(158.5,122.8) v1(158.6,102.3) v1(158.8,83.1) v1(158.8,82.1) v1(158.8,80.7) v1(159,138) v1(159,76.2) v1(159.1,89.4) v1(159.3,83.6) v1(159.3,82.6) v1(159.3,81.6) v1(159.45,84.75) v1(159.5,119.5) v1(159.5,117.1) v1(159.5,110.5) v1(159.5,99.1) v1(159.7,115) v1(159.8,117.8) v1(159.8,83.1) v1(159.8,82.1) v1(159.94,94.56) v1(160,130) v1(160,120) v1(160,110) v1(160,76.2) v1(160,72.9) v1(160.3,107.25) v1(160.3,102) v1(160.3,83.6) v1(160.3,82.6) v1(160.3,81.6) v1(160.33,61.37) v1(160.39,56.36) v1(160.59,92.34) v1(160.7,122.5) v1(160.95,120.35) v1(160.9,109.65) v1(161,138) v1(161.2,74.8) v1(161.7,98.3) v1(161.8,80.8) v1(161.8,80.3) v1(162.2,101.2) v1(162.3,91.5) v1(162.6,122.5) v1(162.6,108.4) v1(162.6,88.7) v1(162.7,121.1) v1(162.85,56.36) v1(162.95,72) v1(162.87,61.52) v1(163,138) v1(163.7,118.1) v1(163.7,116.8) v1(163.7,113.4) v1(164,106.9) v1(164,73.2) v1(164.16,87.66) v1(164.3,78.7) v1(164.4,100.1) v1(164.5,108.6) v1(164.75,116.8) v1(165,138) v1(165,135) v1(165,132.5) v1(165.17,64.45) v1(165.6,83.6) v1(165.8,109.15) v1(166,122.1) v1(166,73.2) v1(166,57) v1(166.1,74.5) v1(166.5,84.6) v1(167,138) v1(167.4,60.4) v1(167.5,127.5) v1(167.8,111.4) v1(168,57) v1(168.3,116.5) v1(168.4,84) v1(168.5,78.1) v1(169,138) v1(169.3,71.4) v1(169.5,106.2) v1(170,70.3) v1(170,57) v1(170.39,64.27) v1(170.7,62) v1(171,138) v1(171.2,128.7) v1(171.5,116.5) v1(171.5,114.05) v1(172,57) v1(172.5,126) v1(172.5,72.5) v1(172.5,67.5) v1(172.6,109.9) v1(172.7,119.8) v1(172.8,116.7) v1(173,138) v1(173.5,117.1) v1(174,57) v1(174.8,110.3) v1(175,138) v1(175,70) v1(175.04,64.26) v1(175.7,118.3) v1(175.8,111.7) v1(176,57) v1(177,138) v1(177.2,98.6) v1(178,107.2) v1(178,104.45) v1(178,101.9) v1(178,57) v1(178.05,106.1) v1(179,138) v1(180,135) v1(180,130) v1(180,120) v1(180,80) v1(179.96,64.11) v1(180,60) v1(180,57) v1(180.07,122.68) v1(180.05,91.35) v1(180.2,96.1) v1(180.45,108.45) v1(180.55,114.25) v1(181,138) v1(181.5,89.2) v1(181.8,101.3) v1(182,57) v1(182.5,89.3) v1(182.5,77.5) v1(183,138) v1(183.2,97.4) v1(183.2,96.8) v1(183.2,96.1) v1(183.3,89.55) v1(183.45,115.6) v1(184,106) v1(184,98) v1(184,57) v1(184.2,112.05) v1(184.35,89.55) v1(184.6,94.7) v1(184.87,86.26) v1(185,138) v1(185,130) v1(185,120) v1(185,80) v1(185,75) v1(185.3,94.7) v1(185.44,81.4) v1(185.9,117) v1(185.95,89.55) v1(186,104) v1(186,100) v1(186.7,64.4) v1(187,138) v1(187,106) v1(187,57) v1(187.3,109.25) v1(187.45,114.55) v1(187.45,89.5) v1(187.5,77.5) v1(187.5,72.5) v1(187.8,108.2) v1(187.9,93.25) v1(187.9,63.8) v1(188,102) v1(188,98) v1(188.5,89.5) v1(188.56,81.4) v1(189,138) v1(189,57) v1(189.6,83.9) v1(190,135) v1(190,130) v1(190,125) v1(190,120) v1(190,106) v1(190,100) v1(189.98,77.72) v1(190,75) v1(190.03,70.77) v1(190,60) v1(190.15,110.9) v1(190.5,64.5) v1(191,138) v1(191,57) v1(192,98) v1(192.5,122.5) v1(192.5,72.5) v1(192.7,83.9) v1(193,138) v1(193,106) v1(193,57) v1(193.1,110.9) v1(193.38,65) v1(193.74,81.39) v1(194,125.8) v1(194,96) v1(194.45,89) v1(195,138) v1(195,120) v1(195,115) v1(195,75) v1(195.03,70.65) v1(195.7,125.8) v1(196.86,81.41) v1(197,138) v1(197,130.1) v1(197,57) v1(197.2,107.2) v1(197.2,94.8) v1(197.5,122.5) v1(197.5,117.5) v1(197.5,112.5) v1(197.5,72.5) v1(197.8,93.1) v1(197.97,69.82) v1(198.05,108.75) v1(199,138) v1(199,57) v1(199.5,127) v1(200,125) v1(200,120) v1(200,115) v1(200,85) v1(200,77.5) v1(200,70) v1(200.8,127) v1(200.9,131.4) v1(200.95,95.1) v1(201,138) v1(201,96.2) v1(201,58) v1(201,57) v1(201.5,68.88) v1(202.1,91.3) v1(202.1,88.1) v1(202.3,131.4) v1(202.5,82.5) v1(202.5,77.5) v1(202.5,72.5) v1(202.6,126.7) v1(203,138) v1(203,57) v1(203.4,126.4) v1(203.5,58) v1(203.93,68.25) v1(205,125) v1(205,115) v1(205,85) v1(205,77.5) v1(205,70) v1(205,57) v1(206,58) v1(206.4,100.9) v1(206.6,112.3) v1(206.6,109.1) v1(206.6,108.1) v1(206.6,105) v1(206.6,103.9) v1(206.82,67.64) v1(207,57) v1(207.5,87.5) v1(207.5,82.5) v1(207.5,77.5) v1(207.5,72.5) v1(208.5,58) v1(209,57) v1(209.34,67.12) v1(210,85) v1(209.98,80.51) v1(210,70) v1(210.9,58) v1(211,57) v1(211.82,66.52) v1(212.5,87.5) v1(212.5,82.5) v1(212.5,77.5) v1(213,57) v1(213.5,125.8) v1(215,138) v1(215,115) v1(215,85) v1(215,80.45) v1(215,70) v1(215,65) v1(215,57) v1(215.07,76.78) v1(215.6,112.4) v1(215.6,109.3) v1(215.6,105.1) v1(215.6,104) v1(215.6,100.9) v1(215.6,99.8) v1(215.6,96.7) v1(215.6,95.6) v1(215.6,92.5) v1(216.7,107.6) v1(217,138) v1(217,57) v1(217.36,134.96) v1(219,138) v1(219.69,85) v1(220,135) v1(220,125) v1(220,115) v1(221,138) v1(222.13,84.93) v1(222.15,82.73) v1(222.23,86.91) v1(222.32,76.57) v1(222.41,73.99) v1(222.36,71.53) v1(223,138) v1(223,137) v1(223,136) v1(223,134) v1(223,132) v1(223,130) v1(223,128) v1(223,126) v1(223,124) v1(223,123) v1(223,117) v1(223,115) v1(223,113) v1(223,68) v1(223,66) v1(223,64) v1(223,63) v1(223,57) v1(223.46,111.17) v1(223.54,109.05) v1(223.53,107.01) v1(223.53,104.97) v1(223.52,102.97) v1(223.48,101.86) v1(223.51,99.94) v1(223.45,98.07) v1(223.49,97.01) v1(223.54,95.12) v1(223.53,93.27)